# Altium PCB BOTTOM-COMPARATOR.PcbDoc (part 1 of 2)
Units mm, origin at the board's own origin, x right, y up, seen from the top; angles counter-clockwise.
Board outline 147.72 x 166.97 mm, 2 copper layers (Top Layer, Bottom Layer), stack 1.181 mm thick; 137 components, 83 nets, 480 pads, 108 vias.
Unrouted connection lines stored in the file: 4.
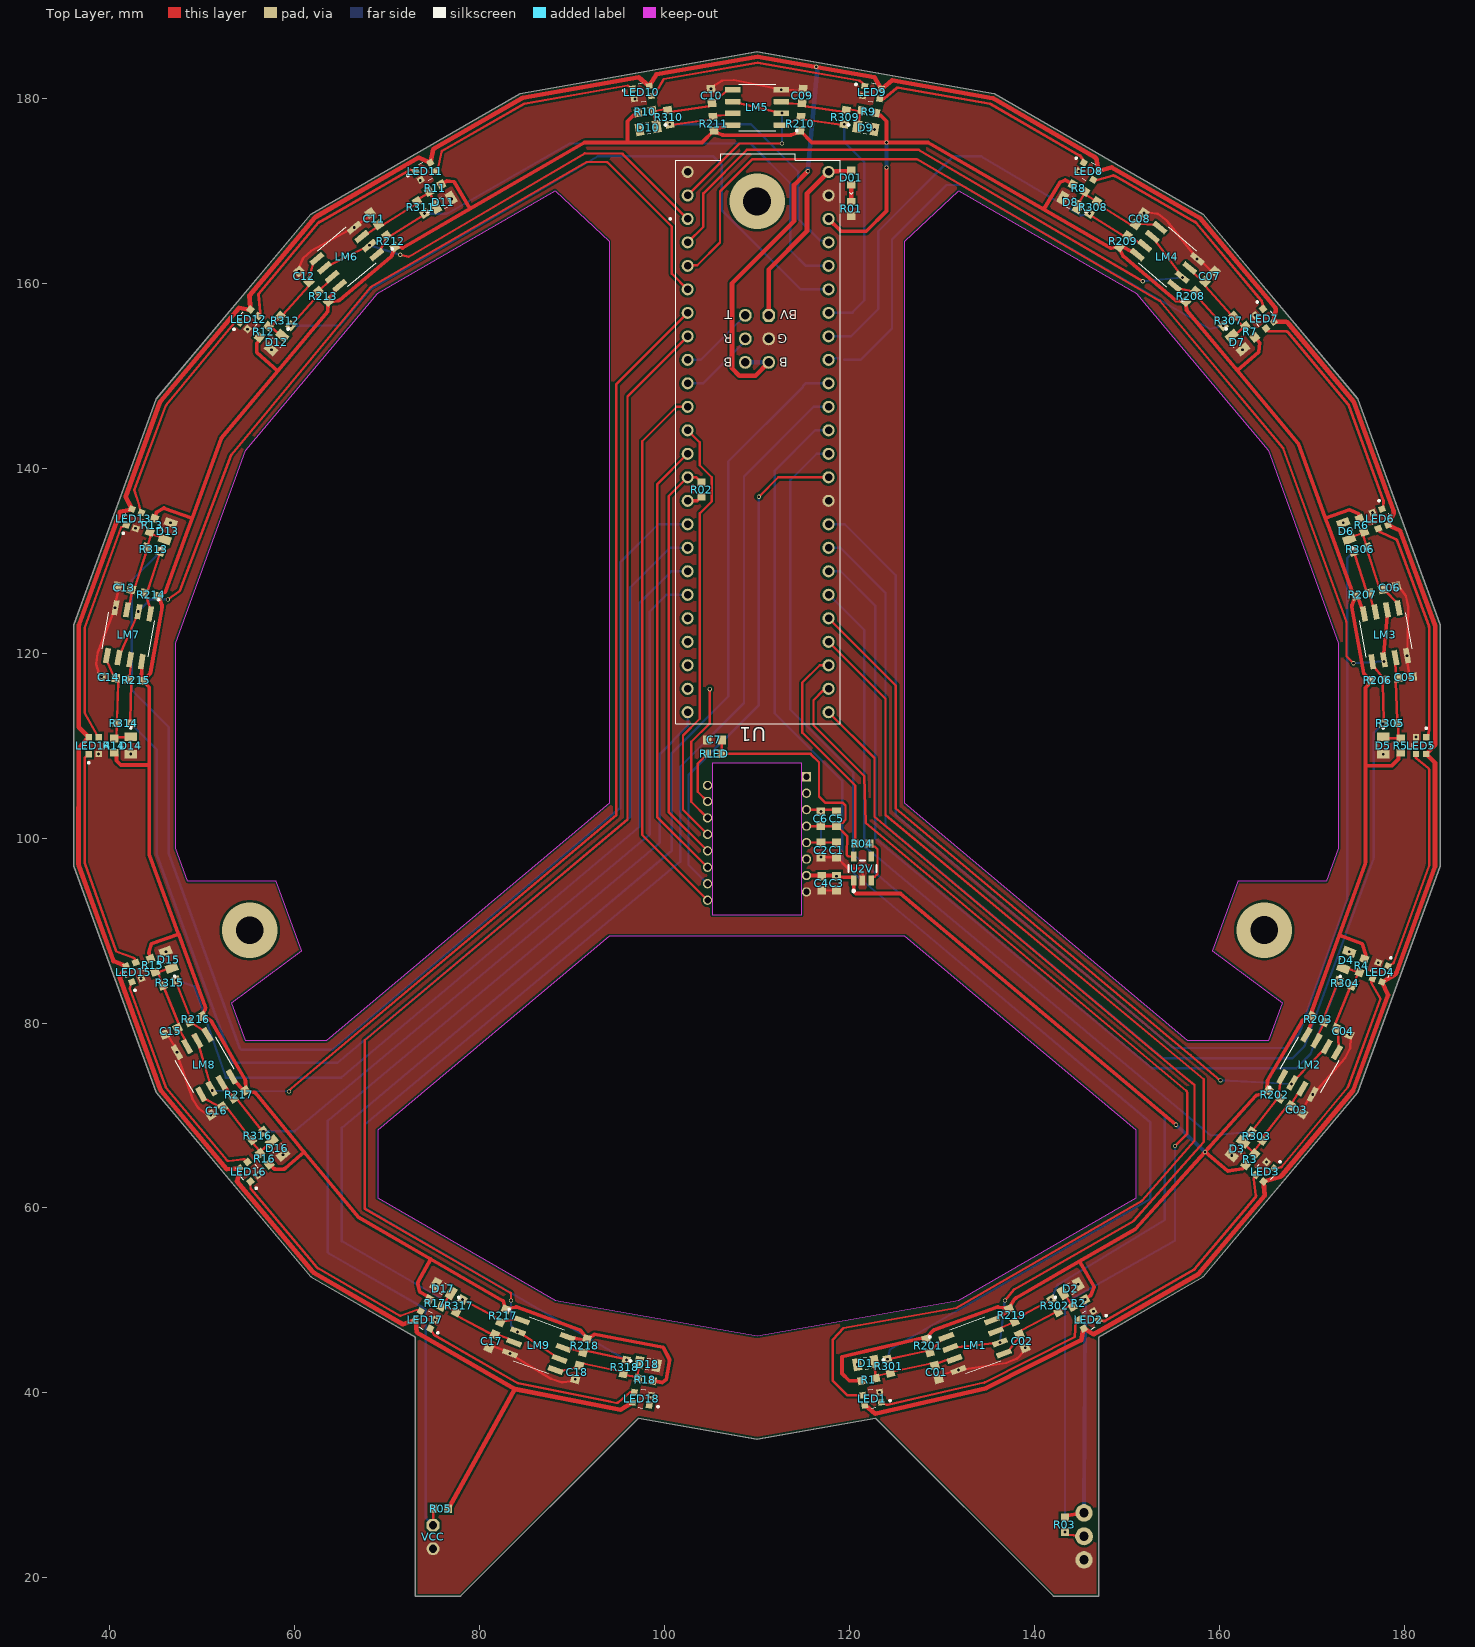
[diagram p0: Top Layer view]
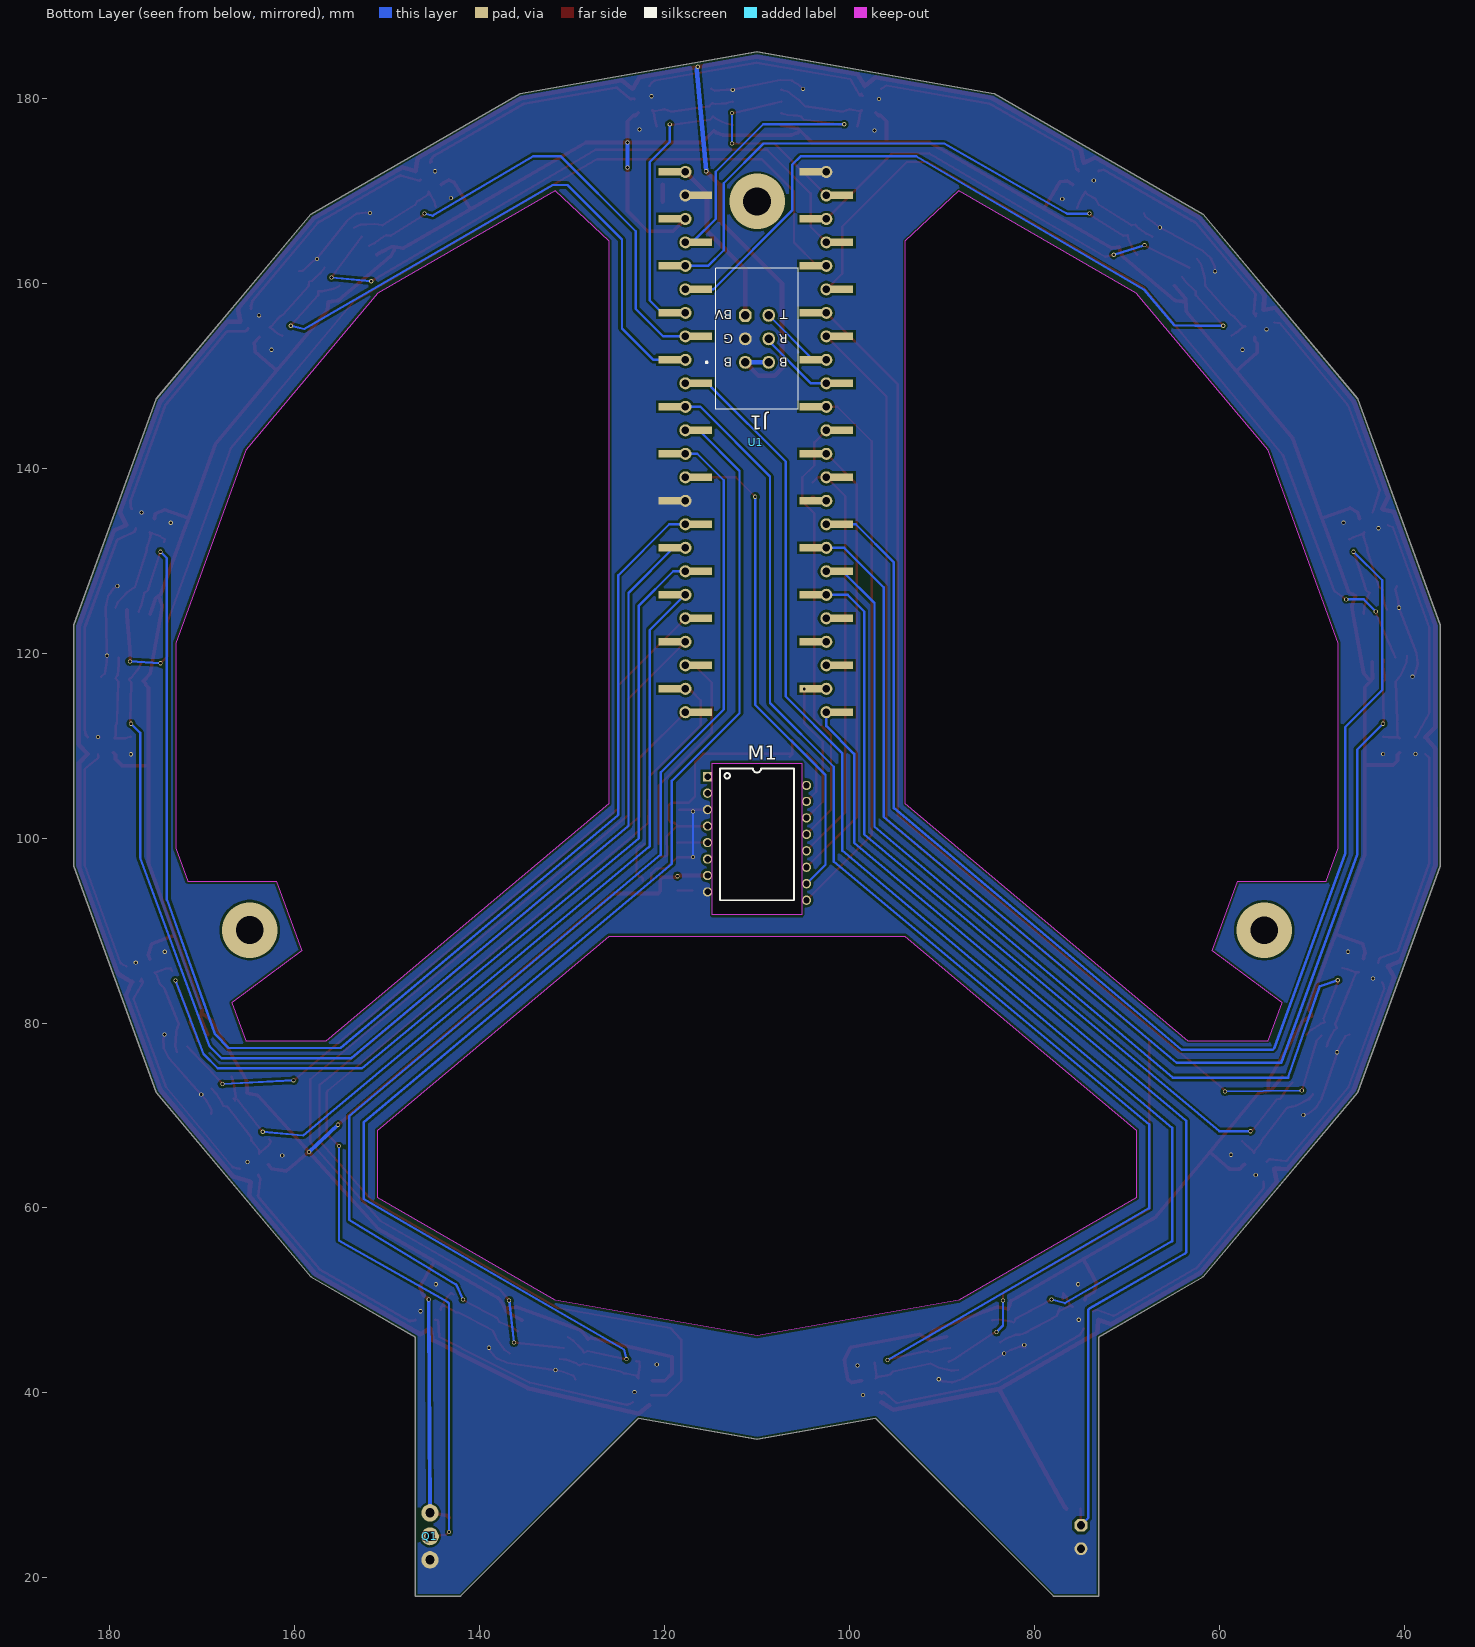
[diagram p1: Bottom Layer view, seen from below]
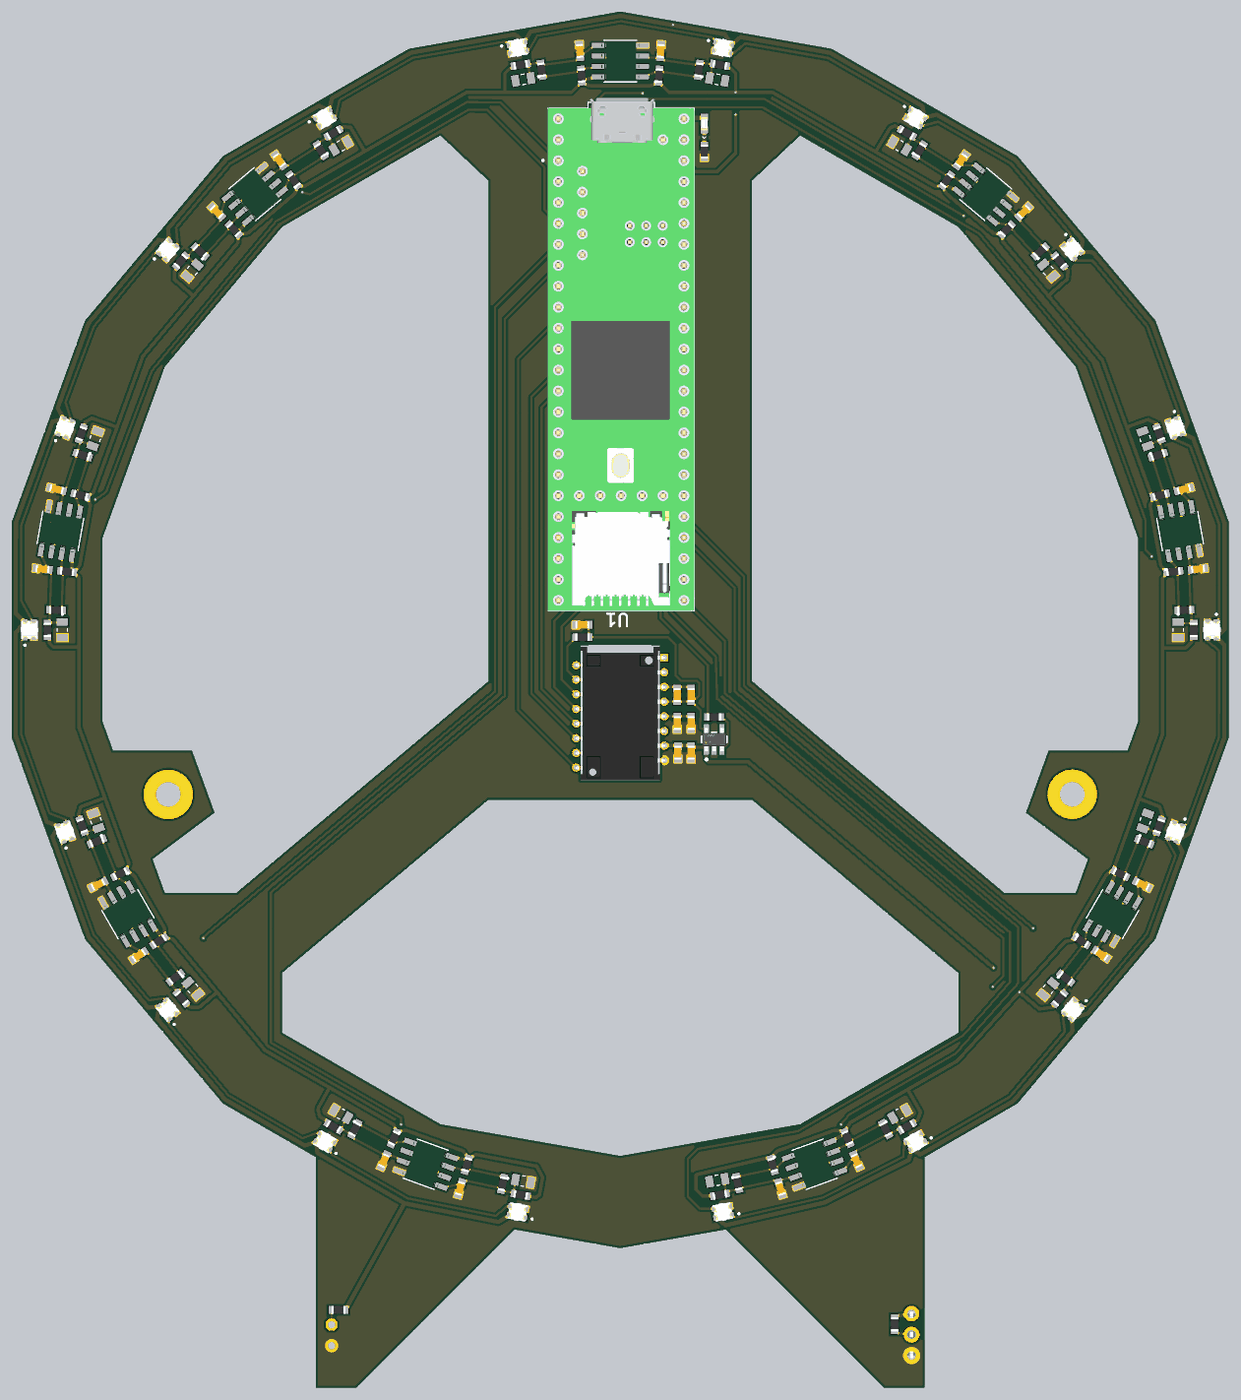
[diagram p3: 3D render of the assembled board from above, using the file's embedded part models]
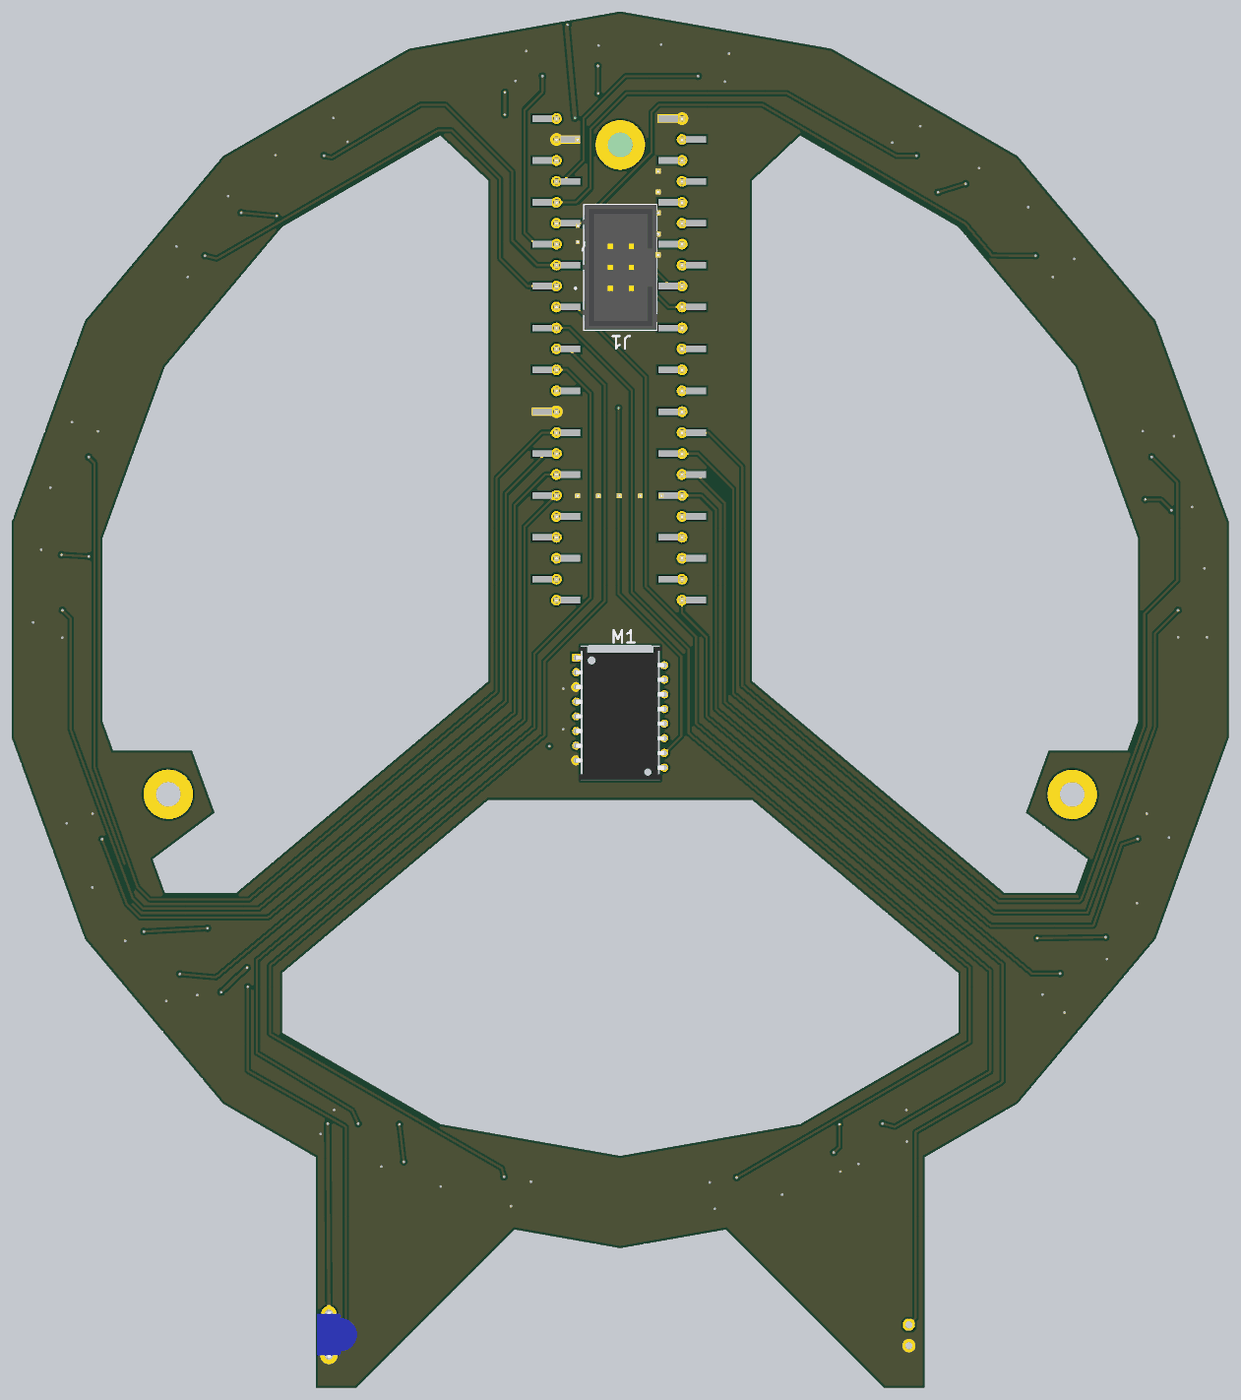
[diagram p4: 3D render of the assembled board from below, using the file's embedded part models]

## Layer stack, top to bottom
Top Solder: solder mask 0.0102, Solder Resist, Dk 3.5
Top Layer: signal copper 0.0356
Dielectric 1: dielectric 1.11, FR-4, Dk 4.8
Bottom Layer: signal copper 0.0356
Bottom Solder: solder mask 0.0102, Solder Resist, Dk 3.5

## Board outline
73.07,18.035 73.07,46.035 61.791,52.547 45.048,72.5 36.139,96.976 36.139,123.024 45.048,147.5 61.791,167.453 84.348,180.477 110,185 135.652,180.477 158.209,167.453 174.952,147.5 183.861,123.024 183.861,96.976 174.952,72.5 158.209,52.547 146.93,46.035 146.93,18.035 142.052,18.035 122.826,37.262 110,35 97.174,37.262 77.948,18.035
cut-out: 48.442,95.337 47.139,98.916 47.139,121.084 54.721,141.915 68.971,158.897 88.169,169.981 94,164.504 94,103.754 63.409,78.085 54.721,78.085 53.23,82.182 60.756,87.82 58.02,95.337
cut-out: 105.17,91.7 114.82,91.7 114.82,108.1 105.17,108.1
cut-out: 68.971,61.103 88.169,50.019 110,46.17 131.831,50.019 151.029,61.103 151.029,68.393 126,89.395 94,89.395 68.971,68.393
cut-out: 126,103.754 126,164.504 131.831,169.981 151.029,158.897 165.279,141.915 172.861,121.084 172.861,98.916 171.558,95.337 161.98,95.337 159.244,87.82 166.77,82.182 165.279,78.085 156.591,78.085

## Design rules (kind name [scope] priority, off if disabled: settings)
BoardOutlineClearance [All] p1: gap=0.254 ignorepadtopadclearanceinfootprint=FALSE
Clearance [All] p1: gap=0.254 ignorepadtopadclearanceinfootprint=FALSE
ComponentClearance [All] p1: gap=0.254 collisioncheckmode=3 verticalgap=2540 showdistances=FALSE
Height [All] p1: minheight=-100 maxheight=100 prefheight=12.7
PlaneConnect [All] p1: planeconnectstyle=Direct reliefexpansion=0.508 reliefentries=4 reliefconductorwidth=0.254 reliefairgap=0.254
PolygonConnect [All] p1: connectstyle=Direct reliefconductorwidth=0.254 reliefentries=4 polygonreliefangle="90 Angle" airgapwidth=0.254
RoutingVias [All] p1: holewidth=0.711 width=1.27 viastyle="Through Hole" minholewidth=0.711 minwidth=1.27 maxholewidth=0.711 maxwidth=1.27
SolderMaskExpansion [All] p1: expansion=0.102 istentingtop=FALSE
SupplyNets "Schematic Supply Nets_13" [InNet('+V-REF-6')] p1: voltage=0.000
SupplyNets "Schematic Supply Nets_12" [InNet('+V-REF-2')] p2: voltage=0.000
SupplyNets "Schematic Supply Nets_11" [InNet('+V-REF-1')] p3: voltage=0.000
SupplyNets "Schematic Supply Nets_10" [InNet('+V-REF-3')] p4: voltage=0.000
SupplyNets "Schematic Supply Nets_9" [InNet('+V-REF-8')] p5: voltage=0.000
SupplyNets "Schematic Supply Nets_8" [InNet('+V-REF-5')] p6: voltage=0.000
SupplyNets "Schematic Supply Nets_7" [InNet('+V-REF-7')] p7: voltage=0.000
SupplyNets "Schematic Supply Nets_6" [InNet('+V-REF-4')] p8: voltage=0.000
SupplyNets "Schematic Supply Nets_1" [InNet('+V-REF-9')] p9: voltage=0.000
SupplyNets "Schematic Supply Nets_5" [InNet('GND')] p10: voltage=0.000
SupplyNets "Schematic Supply Nets_4" [InNet('+2V')] p11: voltage=0.000
SupplyNets "Schematic Supply Nets_3" [InNet('+3VB')] p12: voltage=0.000
SupplyNets "Schematic Supply Nets" [InNet('+3V')] p13: voltage=0.000
Width [All] p1: maxlimit=5 minlimit=0.254 preferedwidth=0.3
27 further rules are at their usual default settings.

## Classes and differential pairs
component class neopixels: LED1 LED2 LED3 LED4 LED5 LED6 LED7 LED8 LED9 LED10 LED11 LED12 LED13 LED14 LED15 LED16 LED17 LED18
component class teensy: C1 C2 C3 C4 C5 C6 C7 D01 J1 M1 Q1 R01 R02 R03 R04 R05 RLED U1 U2V VCC
component class photodiodes: D1 D2 D3 D4 D5 D6 D7 D8 D9 D10 D11 D12 D13 D14 D15 D16 D17 D18 R1 R2 R3 R4 R5 R6 R7 R8 R9 R10 R11 R12 R13 R14 R15 R16 R17 R18 R301 R302 R303 R304 R305 R306 R307 R308 R309 R310 R311 R312 R313 R314 R315 R316 R317 R318
component class comparators: C01 C02 C03 C04 C05 C06 C07 C08 C09 C10 C11 C12 C13 C14 C15 C16 C17 C18 LM1 LM2 LM3 LM4 LM5 LM6 LM7 LM8 LM9 R201 R202 R203 R206 R207 R208 R209 R210 R211 R212 R213 R214 R215 R216 R217 R218 R219

## Components (designator, comment, footprint, x,y, rotation, side; value= is the part's Value field where it differs from the comment)
C01 "1UF" CAP_0603 129.432,42.231 r106 top
C1 "1UF" CAP_0603 118.6,98.7 r90 top
C02 "1UF" CAP_0603 138.675,45.595 r294 top
C2 "1UF" CAP_0603 116.925,98.7 r90 top
C03 "1UF" CAP_0603 168.364,70.633 r146 top
C3 "1UF" CAP_0603 118.6,95.1 r90 top
C04 "1UF" CAP_0603 173.365,79.095 r154 top
C4 "1UF" CAP_0603 117,95.1 r90 top
C05 "1UF" CAP_0603 180.114,117.369 r186 top
C5 "1UF" CAP_0603 118.6,102.1 r90 top
C06 "1UF" CAP_0603 178.406,127.055 r14 top
C6 "1UF" CAP_0603 116.9,102.1 r90 top
C07 "1UF" CAP_0603 158.973,160.713 r226 top
C7 "1UF" CAP_0603 105.4,110.6 r180 top
C08 "1UF" CAP_0603 151.38,166.955 r54 top
C09 "1UF" CAP_0603 114.911,180.228 r266 top
C10 "1UF" CAP_0603 105.089,180.228 r94 top
C11 "1UF" CAP_0603 68.619,166.955 r306 top
C12 "1UF" CAP_0603 61.027,160.714 r134 top
C13 "1UF" CAP_0603 41.594,127.056 r346 top
C14 "1UF" CAP_0603 39.886,117.369 r174 top
C15 "1UF" CAP_0603 46.635,79.096 r26 top
C16 "1UF" CAP_0603 51.573,70.497 r214.06 top
C17 "1UF" CAP_0603 81.325,45.595 r66 top
C18 "1UF" CAP_0603 90.568,42.231 r254 top
D01 "LED_0603" LED_0603 120.2,171.4 r270 top
D1 "019-141-411-R" DIOC2012X80N 121.773,43.23 r189.96 top
D2 "019-141-411-R" DIOC2012X80N 143.9,51.283 r29.92 top
D3 "019-141-411-R" DIOC2012X80N 161.938,66.419 r230.08 top
D4 "019-141-411-R" DIOC2012X80N 173.711,86.811 r69.92 top
D5 "019-141-411-R" DIOC2012X80N 177.7,110 r270 top
D6 "019-141-411-R" DIOC2012X80N 173.711,133.189 r109.92 top
D7 "019-141-411-R" DIOC2012X80N 161.938,153.581 r309.92 top
D8 "019-141-411-R" DIOC2012X80N 143.9,168.717 r150.17 top
D9 "019-141-411-R" DIOC2012X80N 121.773,176.77 r350.01 top
D10 "019-141-411-R" DIOC2012X80N 98.227,176.77 r190 top
D11 "019-141-411-R" DIOC2012X80N 76.1,168.717 r30 top
D12 "019-141-411-R" DIOC2012X80N 58.062,153.581 r229.63 top
D13 "019-141-411-R" DIOC2012X80N 46.289,133.189 r70.36 top
D14 "019-141-411-R" DIOC2012X80N 42.3,110 r270 top
D15 "019-141-411-R" DIOC2012X80N 46.383,86.845 r109.98 top
D16 "019-141-411-R" DIOC2012X80N 58.139,66.483 r310.08 top
D17 "019-141-411-R" DIOC2012X80N 76.1,51.283 r150.08 top
D18 "019-141-411-R" DIOC2012X80N 98.209,43.132 r350 top
J1 "6-PIN-IDC-TH" 6-PIN-IDC-TH 110,154 r180 bottom
LED1 "WS2812-2020" WS2812-2020 122.451,39.389 r10 top
LED2 "WS2812-2020" WS2812-2020 145.85,47.906 r29.92 top
LED3 "WS2812-2020" WS2812-2020 164.925,63.912 r50.08 top
LED4 "WS2812-2020" WS2812-2020 177.376,85.477 r69.92 top
LED5 "WS2812-2020" WS2812-2020 181.8,110 r90 top
LED6 "WS2812-2020" WS2812-2020 177.376,134.523 r109.92 top
LED7 "WS2812-2020" WS2812-2020 164.861,156.164 r130 top
LED8 "WS2812-2020" WS2812-2020 145.85,172.094 r150.17 top
LED9 "WS2812-2020" WS2812-2020 122.451,180.611 r170.01 top
LED10 "WS2812-2020" WS2812-2020 97.549,180.611 r190 top
LED11 "WS2812-2020" WS2812-2020 74.15,172.094 r210 top
LED12 "WS2812-2020" WS2812-2020 55.075,156.088 r230.4 top
LED13 "WS2812-2020" WS2812-2020 42.624,134.523 r250.35 top
LED14 "WS2812-2020" WS2812-2020 38.297,109.999 r270 top
LED15 "WS2812-2020" WS2812-2020 42.624,85.477 r290 top
LED16 "WS2812-2020" WS2812-2020 55.075,63.912 r310.08 top
LED17 "WS2812-2020" WS2812-2020 74.15,47.906 r330.08 top
LED18 "WS2812-2020" WS2812-2020 97.549,39.389 r350 top
LM1 "LM393DT" LM393DT 133.599,45.161 r20 top locked
LM2 "LM393DT" LM393DT 169.756,75.5 r60 top locked
LM3 "LM393DT" LM393DT 177.952,121.981 r100 top
LM4 "LM393DT" LM393DT 154.352,162.857 r140 top
LM5 "LM393DT" LM393DT 110,178.999 r180 top
LM6 "LM393DT" LM393DT 65.648,162.857 r220 top
LM7 "LM393DT" LM393DT 42.048,121.982 r260 top
LM8 "LM393DT" LM393DT 50.244,75.5 r300 top
LM9 "LM393DT" LM393DT 86.401,45.161 r340 top
M1 "PMW-3395" MOUSE-DIP16 115.35,106.63 r180 bottom
Q1 "ISO203" TSSP-58038 144.85,24.5 r270 bottom
R01 "10KΩ" RES_0603 120.2,168.025 r270 top
R1 "10KΩ" RES_0603 122.086,41.457 r189.92 top
R02 "10KΩ" RES_0603 104,137.675 r270 top
R2 "10KΩ" RES_0603 144.8,49.725 r29.92 top
R03 "10KΩ" RES_0603 143.3,25.75 r270 top
R3 "10KΩ" RES_0603 163.317,65.262 r230.08 top
R04 "10KΩ" RES_0603 121.4,99.4 r0 top
R4 "10KΩ" RES_0603 175.403,86.195 r69.92 top
R5 "10KΩ" RES_0603 179.6,110 r270 top
R05 "10KΩ" RES_0603 75.8,27.5 r180 top
R6 "10KΩ" RES_0603 175.403,133.805 r109.91 top
R7 "10KΩ" RES_0603 163.317,154.738 r309.91 top
R8 "10KΩ" RES_0603 144.8,170.275 r150.18 top
R9 "10KΩ" RES_0603 122.086,178.543 r350.01 top
R10 "10KΩ" RES_0603 97.914,178.543 r190 top
R11 "10KΩ" RES_0603 75.2,170.275 r30 top
R12 "10KΩ" RES_0603 56.683,154.738 r229.77 top
R13 "10KΩ" RES_0603 44.597,133.805 r70.2 top
R14 "10KΩ" RES_0603 40.5,110 r270 top
R15 "10KΩ" RES_0603 44.691,86.23 r109.98 top
R16 "10KΩ" RES_0603 56.76,65.326 r310.08 top
R17 "10KΩ" RES_0603 75.2,49.725 r150.08 top
R18 "10KΩ" RES_0603 97.914,41.457 r349.92 top
R201 "10KΩ" RES_0603 128.492,45.082 r105.9 top
R202 "10KΩ" RES_0603 165.96,72.254 r146 top
R203 "10KΩ" RES_0603 170.669,80.41 r334 top
R206 "10KΩ" RES_0603 177.13,117.055 r186 top
R207 "10KΩ" RES_0603 175.495,126.33 r14 top
R208 "10KΩ" RES_0603 156.889,158.555 r226 top
R209 "10KΩ" RES_0603 149.617,164.528 r54 top
R210 "10KΩ" RES_0603 114.701,177.235 r266 top
R211 "10KΩ" RES_0603 105.298,177.236 r94 top
R212 "10KΩ" RES_0603 70.383,164.527 r306 top
R213 "10KΩ" RES_0603 63.111,158.555 r134 top
R214 "10KΩ" RES_0603 44.505,126.33 r345.99 top
R215 "10KΩ" RES_0603 42.87,117.056 r174.01 top
R216 "10KΩ" RES_0603 49.331,80.41 r26 top
R217 "10KΩ" RES_0603 82.545,48.336 r66 top
R217 "10KΩ" RES_0603 54.04,72.254 r213.99 top
R218 "10KΩ" RES_0603 91.395,45.115 r254 top
R219 "10KΩ" RES_0603 137.562,48.384 r294.1 top
R301 "0Ω" RES_0603 124.263,42.899 r102 top
R302 "0Ω" RES_0603 142.206,49.43 r118 top
R303 "0Ω" RES_0603 164.058,67.766 r142 top
R304 "0Ω" RES_0603 173.605,84.302 r158 top
R305 "0Ω" RES_0603 178.458,112.391 r182 top
R306 "0Ω" RES_0603 175.242,131.199 r198 top
R307 "0Ω" RES_0603 160.98,155.902 r222 top
R308 "0Ω" RES_0603 146.352,168.176 r238 top
R309 "0Ω" RES_0603 119.547,177.932 r262 top
R310 "0Ω" RES_0603 100.453,177.932 r278 top
R311 "0Ω" RES_0603 73.647,168.176 r302 top
R312 "0Ω" RES_0603 59.02,155.902 r318 top
R313 "0Ω" RES_0603 44.758,131.199 r342 top
R314 "0Ω" RES_0603 41.542,112.391 r358 top
R315 "0Ω" RES_0603 46.488,84.339 r22 top
R316 "0Ω" RES_0603 56.023,67.827 r38 top
R317 "0Ω" RES_0603 77.806,49.428 r61.99 top
R318 "0Ω" RES_0603 95.716,42.801 r78 top
RLED "10KΩ" RES_0603 105.4,109.1 r0 top
U1 "Teensy-4.1" TEENSY-4.1 110.12,142.81 r270 top
U2V "TLV70220PDBVR" FP-DBV0005A-MFG 121.4,96.7 r90 top
VCC "LASER" LASER 75,25.7 r270 top

## Footprints (in the part's own frame and the unit in brackets; to place one, negate y for a bottom-side part, rotate by r counter-clockwise, add the part's x,y. Pads: shape width x height; smd on the part's side, far side on the other; paste and mask are expansions set on the pad)
6-PIN-IDC-TH [mm]
  oct 1.398x1.398 hole 0.89: 1(-1.27,2.515)
  round 1.398 hole 0.89: 2(-1.27,-0.025) 3(-1.27,-2.565) 4(1.27,-2.565) 5(1.27,-0.025) 6(1.27,2.515)
  silkscreen extent -5.54,-7.65 4.45,7.59, body extent -4.57,-7.64 4.53,7.58, height 9
CAP_0603 [mm] "Chip Capacitor, 2-Leads, Body 1.60x0.80mm, IPC Medium Density"
  rect 0.9x0.95 smd: 1(-0.775,0) 2(0.775,0)
  body extent -0.85,-0.45 0.85,0.45, height 0.55
DIOC2012X80N [mm]
  rect 0.91x1.36 smd: A(0.95,0) K(-0.95,0)
  silkscreen extent -2.01,-0.63 0.17,0.63
FP-DBV0005A-MFG [mm]
  rrect17% 1.1x0.6 smd paste+0 mask+0: 1(-1.3,0.95) 2(-1.3,0) 3(-1.3,-0.95) 4(1.3,-0.95) 5(1.3,0.95)
  silkscreen extent -2.55,-1.53 0.87,1.52, body extent -1.95,-1.78 1.95,1.78, height 0.25
LASER [mm]
  round 1.398 hole 0.89: GND(2.54,-0.025)
  oct 1.398x1.398 hole 0.89: VCC(0,-0.025)
LED_0603 [mm]
  rect 0.85x0.9 smd: A(-0.776,-0.009) C(0.774,-0.009)
  silkscreen extent 1.6,-0.2 1.8,0.2, body extent -0.8,-0.4 0.8,0.4, height 0.35
LM393DT [mm]
  rrect25% 1.67x0.6 smd: 1(-2.631,1.914) 2(-2.631,0.644) 3(-2.631,-0.626) 4(-2.631,-1.896) 5(2.619,-1.896) 6(2.619,-0.626) 7(2.619,0.644) 8(2.619,1.914)
  silkscreen extent -4.4,-2.52 1.99,2.61, body extent -4.15,-2.95 4.15,2.95, height 0.25
MOUSE-DIP16 [mm]
  round 1 hole 0.7: CS(10.7,-6.23) GND(0,-3.56) GNDIO(0,-12.46) LED(10.7,-2.67) MISO(10.7,-8.01) MOSI(10.7,-9.79) MTN(10.7,-13.35) NC(0,-8.9) NC(0,-1.78) NC(10.7,-0.94) REG(0,-7.12) RST(10.7,-4.45) SCLK(10.7,-11.57) VDD(0,-5.34) VDDIO(0,-10.68)
  rect 1x1 hole 0.7: NC(0,0)
  silkscreen extent 1.33,-13.35 9.37,0.89, body extent -0.1,-14.88 10.8,1.32, height 2.2
RES_0603 [mm] "Chip Resistor, 2-Leads, Body 1.60x0.80mm, IPC Medium Density"
  rect 0.85x0.9 smd: 1(-0.775,0) 2(0.775,0)
  body extent -0.85,-0.45 0.85,0.45, height 0.55
TEENSY-4.1 [mm]
  rect 0.8x2.4 smd far side: 0(-26.67,-9.32) 1(-24.13,-5.92) 2(-21.59,-9.32) 3(-19.05,-5.92) 3V(-24.13,9.33) 3V-1(6.35,-5.92) 4(-16.51,-9.32) 5(-13.97,-5.92) 6(-11.43,-9.32) 7(-8.89,-5.92) 8(-6.35,-9.32) 9(-3.81,-5.92) 10(-1.27,-9.32) 11(1.27,-5.92) 12(3.81,-9.32) 13(3.81,5.93) 14(1.27,9.33) 15(-1.27,5.93) 16(-3.81,9.33) 17(-6.35,5.93) 18(-8.89,9.33) 19(-11.43,5.93) 20(-13.97,9.33) 21(-16.51,5.93) 22(-19.05,9.33) 23(-21.59,5.93) 24(8.89,-9.32) 25(11.43,-5.92) 26(13.97,-9.32) 27(16.51,-5.92) 28(19.05,-9.32) 29(21.59,-5.92) 30(24.13,-9.32) 31(26.67,-5.92) 32(29.21,-9.32) 33(29.21,5.93) 34(26.67,9.33) 35(24.13,5.93) 36(21.59,9.33) 37(19.05,5.93) 38(16.51,9.33) 39(13.97,5.93) 40(11.43,9.33) 41(8.89,5.93) GND(-26.67,5.93) GND1(-29.21,-5.92) GND3(6.35,9.33) VIN(-29.21,9.33)
  round 1.308 hole 0.8: 0(-26.67,-7.62) 1(-24.13,-7.62) 2(-21.59,-7.62) 3(-19.05,-7.62) 3V(-24.13,7.62) 3V-1(6.35,-7.62) 4(-16.51,-7.62) 5(-13.97,-7.62) 6(-11.43,-7.62) 7(-8.89,-7.62) 8(-6.35,-7.62) 9(-3.81,-7.62) 10(-1.27,-7.62) 11(1.27,-7.62) 12(3.81,-7.62) 13(3.81,7.62) 14(1.27,7.62) 15(-1.27,7.62) 16(-3.81,7.62) 17(-6.35,7.62) 18(-8.89,7.62) 19(-11.43,7.62) 20(-13.97,7.62) 21(-16.51,7.62) 22(-19.05,7.62) 23(-21.59,7.62) 24(8.89,-7.62) 25(11.43,-7.62) 26(13.97,-7.62) 27(16.51,-7.62) 28(19.05,-7.62) 29(21.59,-7.62) 30(24.13,-7.62) 31(26.67,-7.62) 32(29.21,-7.62) 33(29.21,7.62) 34(26.67,7.62) 35(24.13,7.62) 36(21.59,7.62) 37(19.05,7.62) 38(16.51,7.62) 39(13.97,7.62) 40(11.43,7.62) 41(8.89,7.62) GND(-26.67,7.62) GND1(-29.21,-7.62) GND3(6.35,7.62) VIN(-29.21,7.62)
  silkscreen extent -31.18,-9.6 30.48,8.89, body extent -31.7,-8.9 30.5,8.88, height 7.07
TSSP-58038 [mil]
  round 76 hole 40: GND(0,-20)
  round 74 hole 40: OUT(100,-20) VCC(-100,-20)
  body extent -114,-75 114,113, height 331
WS2812-2020 [mm]
  rect 0.7x0.7 smd: 1(0.915,-0.55) 2(0.915,0.55) 3(-0.915,0.55) 4(-0.915,-0.55)
  silkscreen extent -0.25,-1 1.97,1, body extent -1.1,-1 1.1,1, height 0.84

## Part data
C01 C1 C02 C2 C03 C3 C04 C4 C05 C5 C06 C6 C07 C7 C08 C09 C10 C11 C12 C13 C14 C15 C16 C17 C18: library part CAP_0603, "Capacitor SMD 0603 generic"
D1 D2 D3 D4 D5 D6 D7 D8 D9 D10 D11 D12 D13 D14 D15 D16 D17 D18: "PHOTODIODE RED MICRO SMT", Package=None, Availability=Warning, Check_prices=https://www.snapeda.com/parts/019-141-411-R/Advanced%20Photonix/view-part/5167997/?ref=eda, MF="Advanced Photonix", MP=019-141-411-R, Price=None, Purchase-URL=https://pricing.snapeda.com/search/part/019-141-411-R/?ref=eda, SnapEDA_Link=https://www.snapeda.com/parts/019-141-411-R/Advanced%20Photonix/view-part/5167997/?ref=snap
Q1: library part TSSP-58038
R01 R1 R02 R2 R03 R3 R04 R4 R5 R05 R6 R7 R8 R9 R10 R11 R12 R13 R14 R15 R16 R17 R18 R201 R202 R203 R206 R207 R208 R209 R210 R211 R212 R213 R214 R215 R216 R217 R217 R218 R219 R301 R302 R303 R304 R305 R306 R307 R308 R309 R310 R311 R312 R313 R314 R315 R316 R317 R318 RLED: library part RES_0603, "Resistor SMD 0603 generic"
U2V: library part CMP-0394-00506-3, "IC REG LINEAR 2V 300MA SOT23-5", Dropout Voltage=260mV, Manufacturer="Texas Instruments", Max Junction Temp=+125°C, Max Supply Voltage=5.5V, Min Supply Voltage=2V, Output Current=300mA, Package=DBV0005A, Temperature="-40°C to +125°C", Temperature Range Low=-40°C, Accuracy Percentage=0.5%, Automotive=No, Category=IC, Ciiva Ids=1503676, ComponentLink2Description=Datasheet, ComponentLink2URL=http://www.ti.com/lit/ds/symlink/tlv702p.pdf, Device Class L1="Integrated Circuits (ICs)", Device Class L2="Power Management ICs", Device Class L3="Voltage Regulators - Linear", Digikey Description="IC REG LINEAR 2V 300MA SOT23-5", Height=1.45mm, Import Ts=1521850062, Lead Free=Yes, Manufacturer Part Number=TLV70220PDBVR, Mouser Description="LDO Voltage Regulators 300mA,Low IQ,LDO Reg", Number Of Outputs=1, Octopart=https://octopart.com/tlv70220pdbvr-texas+instruments-20023687, Output Type=Fixed, Output Voltage=2V, Release Date=1464578725, RoHS=TRUE, Standoff Height=0mm, Temperature Range High=+125°C

## Via types
v1: diameter 0.45, hole 0.3, Top Layer to Bottom Layer, tented both sides, 102 vias
v2: diameter 0.5, hole 0.3, Top Layer to Bottom Layer, tented both sides, 3 vias
v3: diameter 6, hole 3, Top Layer to Bottom Layer, 3 vias

## Nets (pads, with @x,y where several pads share a name; then routed paths per layer and width w, separated by ;. In a path a pad name is that pad's centre, name@x,y a point inside that pad or via, vN(x,y) a via of type N, cw(c..) or ccw(c..) an arc to the next point about the centre after c; other vN are vias at no path point)
+2V: C5.1 C6.1 C7.1 M1.VDD RLED.2 U2V.5 | length 30.3
  Top Layer w0.254: C7.1@106.175,110.6 RLED.2@106.175,109.1 ; RLED.2@106.473,108.777 106.175,109.075 RLED.2@106.175,109.1 ; M1.VDD@115.35,101.29 116.9,101.29 118.565,101.29 118.915,101.64 119.24,101.64 119.575,101.975 119.575,103.525 119.3,103.8 117.4,103.8 116.7,104.5 116.7,108.2 115.8,109.1 RLED.2@106.175,109.1 ; C5.1@118.625,101.325 119.769,100.181 119.708,98.262 ; 119.708,98.262 ccw(c119.962,98.254) 119.962,98 U2V.5@120.45,98
+3V: C3.2 C4.2 LM1.8 LM2.8 LM3.8 LM4.8 LM5.8 LM6.8 LM7.8 LM8.8 LM9.8 M1.VDDIO Q1.VCC R1.2 R2.2 R02.2 R03.1 R3.2 R4.2 R5.2 R6.2 R7.2 R8.2 R9.2 R10.2 R11.2 R12.2 R13.2 R14.2 R15.2 R16.2 R17.2 R18.2 R201.2 R202.2 R203.1 R206.2 R207.1 R208.2 R209.1 R210.2 R211.1 R212.2 R213.1 R214.2 R215.1 R216.2 R217.1@54.683,72.688 R217.2@82.86,49.044 R218.1 R219.1 U1.3V U1.3V-1 U2V.1 | length 607.3
  Top Layer w0.4: R14.2@40.5,109.225 40.525,109.225 40.75,109 40.75,108.35 41.2,107.9 44.3,107.9 ; LM7.8@43.479,119.07 43.467,118.428 43.443,117.247 R215.1@43.641,116.975 ; R15.2@44.427,86.958 44.41,87.191 44.259,87.606 44.528,88.547 47.453,89.62 ; R13.2@44.86,134.534 44.91,134.755 45.076,135.215 45.877,135.673 48.933,134.588 48.521,133.457 46.022,126.592 45.536,126.33 R214.2@45.257,126.142 45.415,125.845 45.66,125.194 cw(c45.285,125.053) 45.679,124.983 44.419,117.906 cw(c44.025,117.977) 44.33,117.718 43.89,117.2 R215.1@43.641,116.975 ; 48.933,134.589 52.067,143.199 58.196,150.503 ; 51.055,80.106 54.65,73.886 cw(c54.304,73.686) 54.704,73.702 ; 51.054,80.107 ccw(c50.708,79.905) 50.927,80.24 50.34,80.624 R216.2@50.028,80.75 50.121,81.073 50.316,81.442 ccw(c49.963,81.63) 50.338,81.768 47.896,88.413 47.453,89.62 ; LM8.8@53.212,74.189 53.616,73.689 54.356,72.769 R217.1@54.683,72.688 ; 54.704,73.701 54.729,73.021 R217.1@54.683,72.688 ; R12.2@56.183,154.146 56.183,153.777 55.903,153.497 55.903,152.509 58.196,150.503 ; R16.2@57.259,64.733 57.445,64.596 57.658,64.342 ccw(c57.964,64.6) 57.964,64.2 58.752,64.2 ccw(c58.752,64.6) 59.012,64.296 61.049,66.041 ; LM6.8@64.872,159.707 64.45,159.222 63.672,158.333 R213.1@63.649,157.998 ; R17.2@74.528,50.111 74.449,50.424 73.53,50.952 73.336,51.75 cw(c73.725,51.843) 73.375,52.036 74.719,54.474 ; R11.2@75.871,170.663 76.459,171.038 77.272,170.948 78.979,168.037 ; LM9.8@89.516,46.064 90.147,45.941 91.306,45.712 R218.1@91.608,45.86 ; 90.788,46.84 84.102,49.263 ccw(c83.966,48.887) 83.893,49.28 83.18,49.147 R217.2@82.86,49.044 82.723,49.351 82.544,49.956 74.719,54.474 ; 90.789,46.84 cw(c90.652,46.464) 90.962,46.718 91.43,46.145 R218.1@91.608,45.86 ; R10.2@97.151,178.408 96.873,178.13 96.63,178.13 96,177.5 96,175.2 ; R18.2@98.677,41.322 98.9,41.288 99.752,41.137 100.191,41.448 100.581,43.593 99.854,44.942 92.445,46.352 91.911,46.007 R218.1@91.608,45.86 ; U1.3V-1@102.5,136.46 103.535,136.46 103.9,136.825 R02.2@104,136.825 ; 106.232,176.025 105.618,176.256 R211.1@105.352,176.463 ; 106.233,176.025 ccw(c106.372,176.4) 106.372,176 113.608,176 ccw(c113.608,176.4) 113.744,176.024 114.381,176.255 R210.2@114.647,176.462 114.67,176.462 115.931,175.2 v1(124,175.2) ; LM5.8@107.381,177.085 106.746,176.985 105.586,176.705 R211.1@105.352,176.463 ; M1.VDDIO@115.35,95.95 118.325,95.95 v1(118.6,95.875) 118.875,95.75 120.35,95.75 U2V.1@120.45,95.4 120.45,94.234 120.684,94 125.506,94 v1@155.294,69.005 ; U1.3V@117.74,166.94 119.08,165.6 121.8,165.6 124,167.8 v1(124,172.494) ; R1.2@121.322,41.324 119.976,41.324 119.2,42.1 119.2,43.9 121.84,44.533 R201.2@127.978,45.976 ; R9.2@122.849,178.408 123.127,178.13 123.37,178.13 124,177.5 v1(124,175.2) ; R201.2@128.28,45.828 128.459,46.113 129.034,46.73 cw(c129.327,46.457) 129.191,46.833 135.901,49.264 ; LM1.8@135.406,47.856 135.968,48.167 137.11,48.784 R219.1@137.246,49.091 ; 135.902,49.265 cw(c136.037,48.888) 136.08,49.286 136.926,49.194 R219.1@137.246,49.091 ; R03.1@143.3,26.525 143.55,26.75 Q1.VCC@145.358,27.04 ; R8.2@144.128,170.661 143.942,170.789 143.329,171.141 142.759,170.897 140.99,167.983 ; R2.2@145.472,50.111 145.48,50.12 145.637,50.276 146.088,50.536 146.447,51.492 144.877,54.24 ; LM4.8@151.116,163.074 150.565,163.406 149.496,163.936 R209.1@149.161,163.901 ; 155.206,158.179 155.205,158.18 ; R3.2@162.819,64.668 162.494,64.228 160.884,63.998 v1(158.444,66.05) ; R7.2@163.814,154.144 163.981,153.99 164.35,153.549 164.238,152.546 161.936,150.53 ; 165.192,73.711 165.109,72.78 165.125,72.662 165.154,72.447 164.828,72.367 163.982,72.174 159.586,67.313 v1(158.444,66.05) ; 165.192,73.712 cw(c165.59,73.675) 165.245,73.877 168.952,80.218 cw(c169.297,80.016) 169.057,80.336 169.788,80.884 169.898,80.929 R203.1@170.099,81.012 ; LM2.8@169.407,78.725 169.638,79.325 170.183,80.664 170.193,80.689 170.159,80.804 R203.1@170.099,81.012 ; 174.339,125.203 ccw(c174.713,125.061) 174.319,124.992 175.6,117.8 176.109,117.199 R206.2@176.359,116.974 176.089,116.705 176.089,116.534 175.8,116.245 175.8,107.8 ; 174.34,125.204 174.585,125.845 R207.1@174.743,126.142 ; R6.2@175.139,134.533 175.059,135.045 174.043,135.508 171.46,134.585 ; LM3.8@175.612,124.228 175.403,124.836 175.022,125.954 R207.1@174.743,126.142 ; R4.2@175.669,86.923 175.833,87.402 175.447,88.56 172.973,89.511 ; R5.2@179.6,109.225 179.575,109.225 179.35,109 179.35,108.55 178.6,107.8 175.8,107.8 ; R215.1@43.641,116.975 43.641,116.953 43.91,116.683 43.932,116.683 44.3,116.315 44.3,107.9 ; 44.3,107.9 44.3,98.2 47.448,89.632 47.453,89.62 ; R217.1@54.683,72.688 55.009,72.606 55.699,72.494 60.185,67.083 61.043,66.048 61.049,66.041 ; 58.196,150.503 59.019,151.484 63.596,156.939 63.625,157.662 R213.1@63.649,157.998 ; 61.049,66.041 66.894,58.991 74.716,54.475 74.719,54.474 ; R213.1@63.649,157.998 63.985,158.01 64.679,158.087 ccw(c64.635,158.484) 64.893,158.178 70.415,162.828 ccw(c70.157,163.134) 70.527,162.982 70.769,163.571 R212.2@70.839,163.9 71.173,163.865 71.663,163.804 77.938,167.435 78.979,168.037 ; 78.979,168.037 91.357,175.2 96,175.2 ; 96,175.2 104.067,175.2 105.329,176.463 R211.1@105.352,176.463 ; v1(124,175.2) 128.48,175.2 140.987,167.984 140.99,167.983 ; R219.1@137.246,49.091 137.382,49.399 137.854,50.146 cw(c138.193,49.933) 137.993,50.28 143.748,53.591 144.877,54.24 ; 140.99,167.983 141.997,167.402 148.274,163.781 148.827,163.866 R209.1@149.161,163.901 ; 144.877,54.24 150.897,57.703 v1(158.444,66.05) ; R209.1@149.161,163.901 149.231,163.572 149.564,162.965 149.565,162.964 ccw(c149.915,163.158) 149.656,162.853 155.205,158.18 ; 155.206,158.179 ccw(c155.462,158.486) 155.41,158.09 156.015,158.01 R208.2@156.351,157.998 156.375,157.662 156.429,157.092 161.016,151.626 161.93,150.537 161.936,150.53 ; 161.936,150.53 168.506,142.699 171.455,134.598 171.46,134.585 ; R203.1@170.099,81.012 170.005,81.335 172.53,88.29 172.973,89.511 ; 171.46,134.585 171.855,133.498 174.464,126.33 R207.1@174.743,126.142 ; 172.973,89.511 175.776,97.234 175.8,97.37 175.8,107.8
  Bottom Layer w0.4: v1(124,172.494) v1(124,175.2) ; Q1.VCC@145.358,27.04 v1(145.5,50.1) ; v1(155.3,69) v1(158.444,66.05)
+3V-BOT: D01.A J1.1 U1.VIN | length 20.7
  Top Layer w0.5: J1.1@111.27,156.515 111.27,161.467 115.4,165.597 115.4,169.68 U1.VIN@117.74,172.02 117.818,172.098 120.113,172.098 D01.A@120.191,172.176
+3VB: J1.3 J1.4 LED1.4 LED2.4 LED3.4 LED4.4 LED5.4 LED6.4 LED7.4 LED8.4 LED9.4 LED10.4 LED11.4 LED12.4 LED13.4 LED14.4 LED15.4 LED16.4 LED17.4 LED18.4 R05.1 | length 513.8
  Top Layer w0.5: 36.651,109.7 37.647,110.814 LED14.4@37.747,110.914 ; 36.651,109.71 36.643,97.188 36.643,97.187 ccw(c37.143,97.188) 36.674,97.017 40.421,86.726 ; 36.652,112 37.647,111.014 LED14.4@37.747,110.914 ; 36.652,112.01 36.659,122.89 cw(c37.159,122.889) 36.689,123.06 41.139,135.286 42.286,135.509 LED13.4@42.414,135.57 42.353,135.697 41.735,136.924 ; LED14.4@37.647,110.9 LED14.4@37.747,110.914 ; 40.427,86.71 41.666,86.209 LED15.4@41.794,86.149 41.734,86.021 41.083,84.909 45.492,72.802 ; 41.735,136.925 45.436,147.093 cw(c45.906,146.922) 45.523,147.243 53.986,157.312 55.093,157.13 LED12.4@55.234,157.143 55.221,157.284 55.131,158.674 62.183,167.063 cw(c62.565,166.741) 62.316,167.174 73.427,173.571 74.531,173.064 LED11.4@74.667,173.028 74.704,173.164 75.01,174.483 84.539,179.968 cw(c84.788,179.535) 84.7,180.027 ; 45.493,72.801 ccw(c45.962,72.973) 45.58,72.65 52.675,64.194 ; 52.683,64.185 53.924,64.27 LED16.4@54.065,64.258 54.053,64.117 53.782,62.876 61.984,53.101 ; 61.984,53.101 ccw(c62.367,53.422) 62.116,52.99 71.715,47.435 ; 71.719,47.432 72.946,47.849 LED17.4@73.083,47.886 73.119,47.749 73.233,46.556 83.814,40.433 ; R05.1@76.575,27.5 76.75,27.7 83.818,40.431 95.214,38.17 96.437,38.925 LED18.4@96.553,39.007 ; 84.701,180.027 97.212,182.233 98.239,181.392 LED10.4@98.355,181.311 98.436,181.427 99.123,182.57 110.061,184.472 122.708,182.245 123.366,181.109 LED9.4@123.447,180.994 123.563,181.075 124.602,181.911 135.476,179.996 146.489,173.631 cw(c146.238,173.198) 146.733,173.27 146.88,172.252 LED8.4@146.917,172.116 148.37,172.51 157.889,167.051 165.972,157.418 cw(c165.589,157.096) 166.081,157.005 166.08,157.004 165.883,155.958 LED7.4@165.871,155.817 166.011,155.805 167.072,155.82 cw(c167.079,155.32) 167.462,155.642 167.581,155.5 174.534,147.173 178.819,135.402 cw(c178.349,135.232) 178.793,135.003 178.265,133.978 LED6.4@178.205,133.85 179.514,133.237 183.336,122.932 183.336,110.071 LED5.4@182.35,109.085 183.3,108.135 183.3,96.91 179.138,85.475 cw(c178.668,85.646) 178.925,85.217 177.707,84.489 LED4.4@177.578,84.429 178.226,83.034 174.439,72.672 166.77,63.533 cw(c166.387,63.855) 166.536,63.377 166.535,63.377 164.901,62.87 LED3.4@164.76,62.857 164.888,61.335 157.703,52.837 146.415,46.347 145.468,46.936 LED2.4@145.331,46.973 145.294,46.836 145.042,45.715 134.787,40.525 122.788,37.764 121.761,38.608 LED1.4@121.645,38.689 ; J1.3@111.27,151.435 109.835,150 108.1,150 107.3,150.8 107.3,160 114,166.7 114,170.6 v2(115.5,172.1)
  Bottom Layer w0.5: J1.4@108.73,151.435 J1.3@111.27,151.435 ; v2(115.5,172.1) 116.5,183.1
  other v2: 116.4,183.4
+V-REF-1: LM1.2 LM1.6 U1.36 | length 110.6
  Top Layer w0.254: U1.36@117.74,121.22 123.9,115.06 123.9,102.5 158.3,73.92 158.3,67.136 150.711,58.606 137.797,51.197 v1(136.8,50) ; LM1.2@130.907,44.867 131.631,44.946 135.55,45.389 v1(136.274,45.469)
  Bottom Layer w0.254: v1(136.274,45.469) v1(136.8,50)
+V-REF-2: LM2.2 LM2.6 U1.37 | length 82.5
  Top Layer w0.254: U1.37@117.74,123.76 125,116.5 125,103.2 156.9,76.5 v1(160.1,73.8) ; LM2.2@167.882,73.544 168.386,74.07 171.103,76.929 LM2.6@171.607,77.455
  Bottom Layer w0.254: v1(160.1,73.8) v1(167.8,73.4)
+V-REF-3: LM3.2 LM3.6 U1.3 | length 117.5
  Top Layer w0.254: U1.3@102.5,161.86 102.575,161.935 103.535,161.935 106,164.4 106,169.9 109.5,173.4 127.255,173.4 153.547,158.081 166.881,142.178 173.723,123.362 173.738,123.275 173.738,119.662 v1(174.5,118.9)
  Top Layer w0.4: LM3.2@177.774,119.278 177.762,119.921 178.125,124.026 LM3.6@178.113,124.669
  Bottom Layer w0.254: v1(174.5,118.9) v1(177.8,119.1)
+V-REF-4: LM4.2 LM4.6 U1.2 | length 69
  Top Layer w0.254: U1.2@102.5,164.4 104.2,166.1 104.2,169.7 108.9,174.4 127.49,174.4 v1(151.7,160.2) ; LM4.6@152.748,165.02 153.179,164.432 155.523,161.26 LM4.2@155.954,160.672
  Bottom Layer w0.254: v1(151.7,160.2) v1(156,160.6)
+V-REF-5: LM5.2 LM5.6 U1.0 | length 21.2
  Top Layer w0.254: U1.0@102.5,169.48 108.12,175.1 v1(112.7,175.1) ; LM5.6@107.381,179.625 108.089,179.452 111.923,178.528 LM5.2@112.631,178.355
  Bottom Layer w0.254: v1(112.7,175.1) v1(112.7,178.4)
+V-REF-6: LM6.2 LM6.6 U1.1 | length 45.9
  Top Layer w0.254: LM6.6@63.239,161.653 63.893,161.976 67.424,163.732 LM6.2@68.077,164.055 ; v1(71.426,163.071) 72.32,162.838 91.393,174.022 95.471,173.969 U1.1@102.5,166.94
  Bottom Layer w0.254: v1(68.1,164.1) v1(71.426,163.071)
+V-REF-7: LM7.2 LM7.6 U1.4 | length 96.6
  Top Layer w0.254: LM7.6@40.977,119.511 41.271,120.178 42.846,123.794 LM7.2@43.14,124.461 ; v1(46.3,125.8) 47.598,126.714 53.163,141.438 68.233,159.565 91.579,173.093 93.808,173.078 ; 93.809,173.077 cw(c93.686,172.855) 93.865,173.035 ; 93.865,173.035 100.8,166.1 100.8,161.02 U1.4@102.5,159.32
  Bottom Layer w0.254: v1(43.1,124.5) 44.4,125.8 v1(46.3,125.8)
+V-REF-8: LM8.2 LM8.6 U1.5 | length 118.2
  Top Layer w0.254: LM8.2@48.983,78.627 LM8.2@49.487,78.101 49.691,77.401 50.808,73.619 LM8.6@51.012,72.919 ; v1@59.34,72.674 94.8,102.5 94.8,149.08 U1.5@102.5,156.78
  Bottom Layer w0.254: v1(51.1,72.7) v1(59.4,72.6)
+V-REF-9: LM9.2 LM9.6 U1.6 | length 139.1
  Top Layer w0.254: v1(83.4,50) 83.4,50.789 83.347,50.829 67.6,59.921 67.6,78.137 96,102 96,147.74 U1.6@102.5,154.24 ; LM9.2@84.149,46.667 84.755,46.262 88.041,44.082 LM9.6@88.648,43.678 LM9.6@89.289,43.369
  Bottom Layer w0.254: v1(83.4,50) 83.4,47.3 v1(84.1,46.6)
CS: M1.CS U1.10 | length 47.1
  Top Layer w0.254: U1.10@102.5,144.08 103.8,142.78 103.8,140.3 105.1,139 105.1,136.4 103.8,135.1 103.8,112.9 102,111.1 102,103.05 M1.CS@104.65,100.4
EN-2V: R04.1 U1.35 | length 23.4
  Top Layer w0.254: U1.35@117.74,118.68 116.78,118.68 114.9,116.8 114.9,111.4 120.625,105.675 R04.1@120.625,99.4
EN-LSR: R05.2 U1.32 VCC.VCC | length 114.1
  Top Layer w0.254: VCC.VCC@74.975,25.7 74.991,26.272 74.991,27.177 R05.2@75.025,27.5
  Bottom Layer w0.254: VCC.VCC@74.975,25.7 74.17,26.505 74.17,48.941 74.17,49.033 74.043,49.161 63.728,55.072 63.6,55.199 63.6,55.292 63.6,69.321 63.6,69.425 63.691,69.516 99.5,99.477 99.5,109.1 102.5,112.1 U1.32@102.5,113.6